# Allegro board DPU_PoE_A1_Oct-9-26.brd (continued)
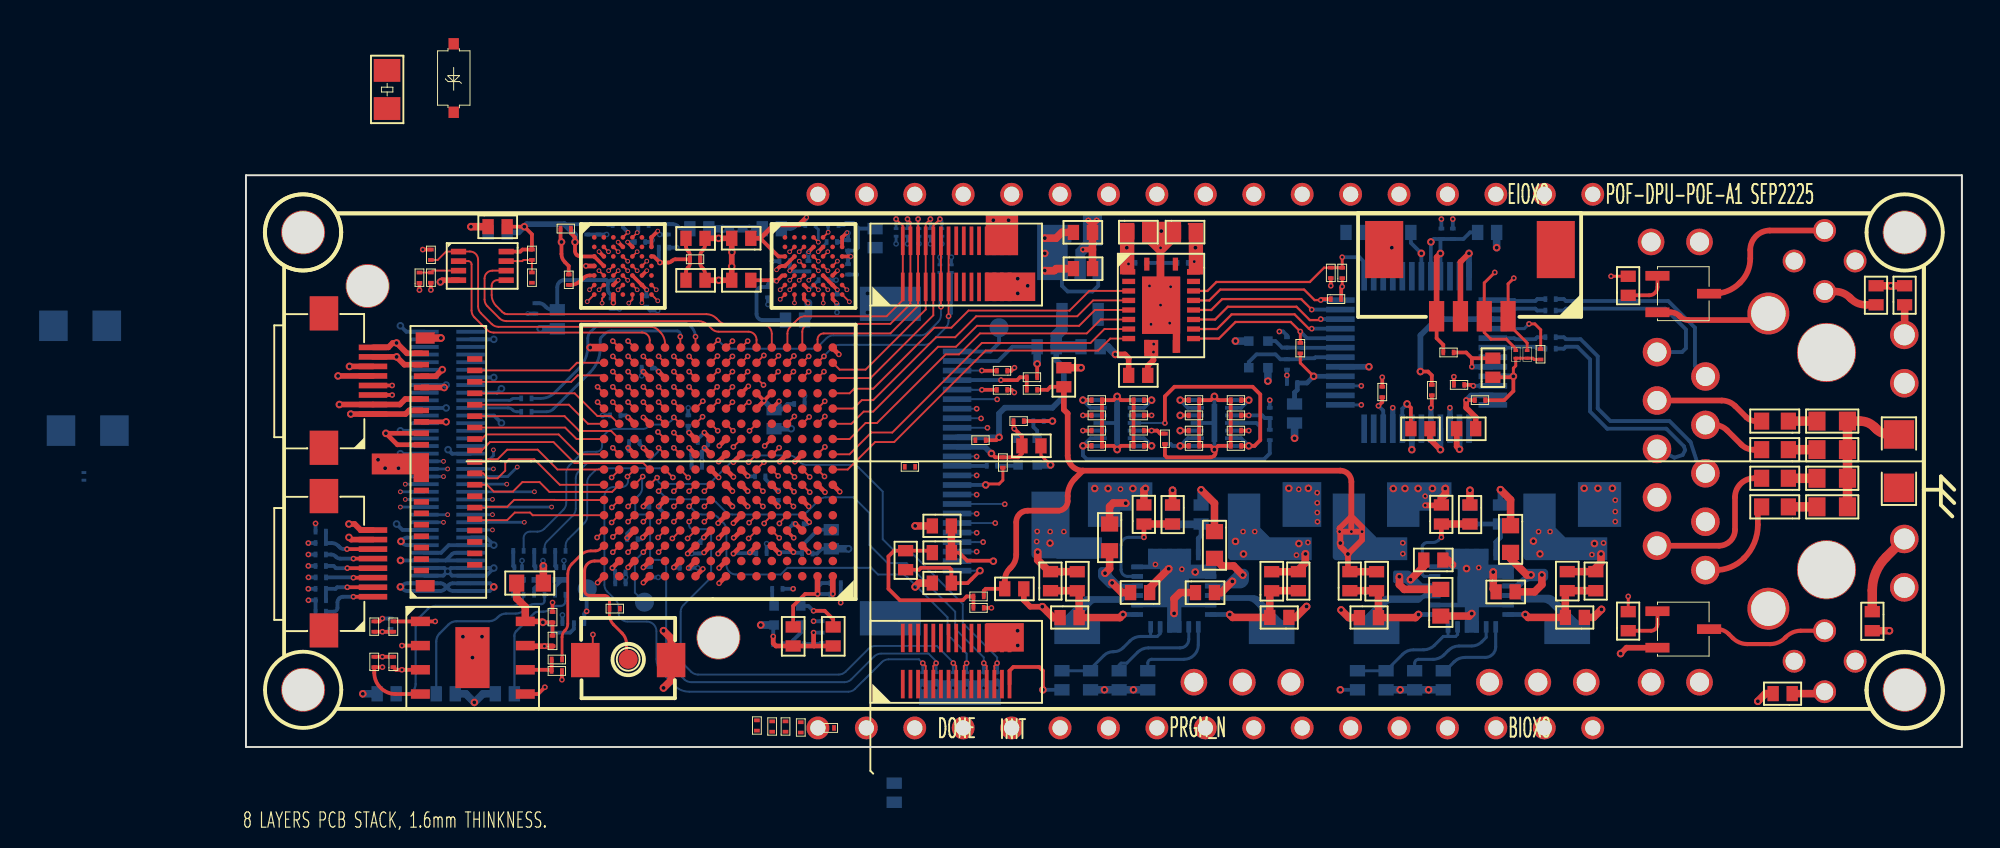
[diagram p0: board, top side]
## Routing (per net, layer and track width the routed paths; a pad name or vN(x,y) marks a point on that pad's centre or on a via; arc(x,y) is an arc through that point) (continued)
  BOTTOM w0.102: v1(38.33,17.75) J6.7
E_CSN: length 18.4
  TOP w0.102: U7.H1 31.56,14.56 33,16 34,16 38.8,20.8 44.7,20.8 45.33,21.43 U3.9
E_INT: length 17.9
  TOP w0.102: U7.M1 31.86,17.76 32.3,18.2 32.9,18.2 36.2,21.5 37.2,21.5 38.3,22.6 43.6,22.6 44.43,23.43 U3.5
E_MISO: length 18.1
  TOP w0.102: U3.7 44.83,22.43 44.1,21.7 38.5,21.7 37.4,20.6 36.7,20.6 33.1,17 32.5,17 31.66,16.16 30.78,16.16
E_MOSI: length 18
  TOP w0.102: U3.6 44.53,22.93 43.7,22.1 38.34,22.1 37.24,21 36.3,21 32.9,17.6 32.4,17.6 31.76,16.96 U7.L1
E_RST: length 17.7
  TOP w0.102: U3.4 44.23,23.93 43.2,22.9 37.9,22.9 37,22 36.1,22 32.9,18.8 31.9,18.8 31.66,18.56 U7.N1
E_SCLK: length 18.2
  TOP w0.102: U7.J1 31.66,15.36 32.8,16.5 33.9,16.5 38.6,21.2 44.3,21.2 45.03,21.93 U3.8
EIO-1: length 0.5
  TOP w0.102: v1(26.41,16.59) U7.L6
EIO-4: length 0.5
  TOP w0.102: v1(27.12,13.42) U7.G6
EN_ME1: length 6.8
  BOTTOM w0.16: 47.45,5.8 U14.6 ; 47.45,5.8 46.93,5.8 arc(46.63,5.74) 46.37,5.57 46,5.2 arc(45.78,5.05) 45.52,5 45.48,5 arc(45.22,4.95) 45,4.8 44.3,4.1 R35.1 R36.1 ; 47.45,5.8 47.8,5.8 47.95,5.95 U14.5
EN_ME2: length 6.9
  BOTTOM w0.16: U11.5 63.55,5.9 63.45,5.8 63.05,5.8 ; U11.6 63.05,5.8 ; 63.05,5.8 62.8,5.8 62.33,5.33 arc(62.07,5.16) 61.77,5.1 61.23,5.1 arc(60.93,5.04) 60.67,4.87 R1.1 R2.1
ETH_CSN: length 9
  TOP w0.123: v1(55.3,21.8) 54.8,22.3 51.9,22.3 51.03,21.43 U3.12
  TOP w0.157: R24.1 v1(55.3,21.8)
  BOTTOM w0.2: U12.32 55.65,21.45 v1(55.3,21.8)
ETH_INT: length 8.7
  TOP w0.123: U3.16 50.53,23.43 51.1,24 55.5,24 56.05,23.45 v1(56.37,23.45)
  TOP w0.2: R21.1 56.42,23.5 v1(56.37,23.45)
  BOTTOM w0.2: U12.36 v1(56.37,23.45)
ETH_MISO: length 8.3
  TOP w0.123: U3.14 50.83,22.43 51.5,23.1 55.1,23.1 55.8,22.4 56.32,22.4 v1(56.37,22.45)
  BOTTOM w0.2: U12.34 v1(56.37,22.45)
ETH_MOSI: length 8.2
  TOP w0.123: v1(55.9,22.95) 55.35,23.5 51.2,23.5 50.63,22.93 U3.15
  BOTTOM w0.2: U12.35 v1(55.9,22.95)
ETH_RST: length 10.9
  TOP w0.123: C25.1 56.55,25.15 55.8,24.4 50.9,24.4 50.43,23.93 U3.17
  TOP w0.157: C25.1 57.49,25.15 R10.2 v1(57.5,25.7)
  BOTTOM w0.2: U12.37 58.65,25.45 58.4,25.7 v1(57.5,25.7)
ETH_SCLK: length 8.3
  TOP w0.123: U3.13 50.93,21.93 51.7,22.7 55,22.7 55.75,21.95 v1(55.9,21.95)
  BOTTOM w0.2: U12.33 v1(55.9,21.95)
FP_LED0: length 21.4
  TOP w0.102: v1(26.38,18.09) 26.31,18.09 U7.M7
  TOP w0.2: J9.3 v1(7.67,18.47)
  SIG-6 w0.102: v1(26.38,18.09) 25.19,16.9 19.6,16.9 19.2,17.3 15.4,17.3 14.23,18.47 v1(7.67,18.47)
FP_LED1: length 20
  TOP w0.102: v1(25.52,18.1) U7.M8
  TOP w0.2: J9.4 v1(7.67,18.97)
  SIG-6 w0.102: v1(7.67,18.97) 14.53,18.97 15.8,17.7 25.12,17.7 v1(25.52,18.1)
H1_CKN: length 14.6
  TOP w0.102: U7.T8 v1(25.52,21.3) ; U2.B2 v3(28.52,25.99)
  SIG-6 w0.102: v3(28.52,25.99) 28.47,25.94 28.1,25.94 arc(27.95,26) 27.89,26.15 27.89,26.52 arc(27.95,26.67) 28.1,26.73 28.56,26.73 arc(28.91,26.88) 29.06,27.23 29.06,27.26 arc(28.9,27.65) 28.51,27.81 25.54,27.81 arc(25.14,27.65) 24.98,27.25 24.98,22.63 arc(25.02,22.43) 25.13,22.27 25.67,21.73 arc(25.72,21.6) 25.67,21.47 25.52,21.32 v1(25.52,21.3)
H1_CKP: length 14.8
  TOP w0.102: v1(26.32,21.3) U7.T7 ; v3(29.02,25.99) U2.B3
  SIG-6 w0.102: v1(26.32,21.3) 26.03,21.58 26.03,21.58 arc(25.99,21.77) 25.88,21.94 25.34,22.48 arc(25.3,22.55) 25.28,22.63 25.28,27.25 arc(25.36,27.43) 25.54,27.51 28.51,27.51 arc(28.68,27.44) 28.76,27.26 28.76,27.23 arc(28.7,27.09) 28.56,27.03 28.1,27.03 arc(27.74,26.88) 27.59,26.52 27.59,26.15 arc(27.74,25.79) 28.1,25.64 28.52,25.64 arc(28.62,25.66) 28.71,25.72 28.98,25.99 v3(29.02,25.99)
H1_CS: length 19.4
  TOP w0.102: v1(27.92,19.7) U7.P5 ; v3(30.02,26.49) U2.A4
  SIG-6 w0.102: v3(30.02,26.49) 30.08,26.43 arc(30.12,26.4) 30.18,26.39 33.89,26.39 arc(34.08,26.35) 34.25,26.24 35.24,25.25 arc(35.35,25.08) 35.39,24.89 35.39,22.79 arc(35.35,22.6) 35.24,22.43 33.43,20.62 arc(33.26,20.51) 33.07,20.47 32.04,20.47 arc(31.85,20.43) 31.68,20.32 31.59,20.23 arc(31.42,20.12) 31.23,20.08 30.87,20.08 arc(30.81,20.07) 30.75,20.03 arc(30.71,19.97) 30.7,19.91 30.7,19.45 arc(30.65,19.34) 30.54,19.29 28.49,19.29 arc(28.4,19.3) 28.31,19.33 28.29,19.33 v1(27.92,19.7)
  BOTTOM w0.15: v3(30.02,26.49) 30.02,27.15 29.88,27.29 R62.1
H1_D0: length 15.2
  TOP w0.102: v3(30.02,24.99) U2.D4 ; v1(26.32,19.7) U7.P7
  SIG-6 w0.102: v3(30.02,24.99) 30.1,24.91 arc(30.15,24.8) 30.1,24.68 29.98,24.56 arc(29.95,24.49) 29.98,24.42 30.02,24.38 arc(30.05,24.36) 30.09,24.35 31.45,24.35 arc(31.68,24.3) 31.88,24.17 32.49,23.56 arc(32.57,23.37) 32.49,23.18 32.36,23.05 arc(32.28,22.87) 32.36,22.69 arc(32.39,22.64) 32.4,22.58 arc(32.25,22.22) 31.89,22.07 29.22,22.07 arc(29.08,22.04) 28.96,21.96 28.47,21.47 arc(28.41,21.38) 28.39,21.28 28.39,20.27 arc(28.34,20.16) 28.23,20.11 26.95,20.11 arc(26.86,20.07) 26.82,19.98 26.82,19.88 arc(26.85,19.8) 26.92,19.78 27.34,19.78 arc(27.38,19.77) 27.41,19.74 arc(27.44,19.71) 27.44,19.67 27.44,19.55 arc(27.41,19.48) 27.34,19.45 26.62,19.45 arc(26.55,19.46) 26.49,19.49 26.49,19.52 v1(26.32,19.7)
H1_D1: length 15
  TOP w0.102: v1(25.52,20.5) 25.18,20.16 ; v3(29.02,25.49) U2.D3
  SIG-6 w0.102: v1(25.52,20.5) 25.85,20.83 25.99,20.83 arc(26.05,20.84) 26.11,20.84 26.44,20.84 arc(26.61,20.91) 26.68,21.08 26.68,21.78 arc(26.64,21.97) 26.53,22.14 25.78,22.89 arc(25.67,23.06) 25.63,23.25 25.63,26.34 arc(25.66,26.42) 25.73,26.45 26.31,26.45 arc(26.38,26.48) 26.41,26.55 26.41,26.69 arc(26.38,26.76) 26.31,26.79 25.76,26.79 arc(25.69,26.82) 25.66,26.89 25.66,27.04 arc(25.69,27.12) 25.77,27.15 27.11,27.15 arc(27.24,27.1) 27.29,26.97 27.29,25.68 arc(27.38,25.46) 27.6,25.37 28.91,25.37 arc(28.99,25.4) 29.02,25.48 v3(29.02,25.49)
H1_D2: length 15.1
  TOP w0.102: v1(29.52,19.7) U7.P3 ; v3(30.52,25.99) U2.C5
  SIG-6 w0.102: v1(29.52,19.7) 29.52,19.82 29.62,19.92 29.77,19.92 arc(29.86,19.96) 29.9,20.05 29.9,20.76 arc(29.95,20.87) 30.06,20.92 32.9,20.92 arc(33.09,20.96) 33.26,21.07 34.81,22.62 arc(34.92,22.79) 34.96,22.98 34.96,24.78 arc(34.92,24.97) 34.81,25.14 34.01,25.94 arc(33.84,26.05) 33.65,26.09 30.68,26.09 arc(30.62,26.08) 30.58,26.05 v3(30.52,25.99)
H1_D3: length 15
  TOP w0.102: v1(28.74,20.52) 28.38,20.16 ; v3(30.52,24.99) U2.D5
  SIG-6 w0.102: v1(28.74,20.52) 28.74,20.99 arc(28.79,21.22) 28.92,21.42 29.13,21.63 arc(29.33,21.76) 29.56,21.81 32.09,21.81 arc(32.28,21.85) 32.45,21.96 32.84,22.35 arc(32.87,22.42) 32.84,22.49 32.66,22.67 arc(32.63,22.74) 32.66,22.81 32.76,22.91 arc(32.83,22.94) 32.91,22.91 33.01,22.81 arc(33.11,22.75) 33.22,22.72 33.24,22.72 arc(33.39,22.79) 33.46,22.94 33.46,23.08 arc(33.43,23.15) 33.36,23.18 33.18,23.18 arc(33.11,23.21) 33.08,23.28 33.08,23.43 arc(33.11,23.5) 33.18,23.53 33.53,23.53 arc(33.58,23.54) 33.63,23.57 33.64,23.58 arc(33.67,23.63) 33.68,23.68 33.68,23.7 arc(33.67,23.75) 33.64,23.79 33.33,24.1 33.25,24.1 arc(33.17,24.06) 33.13,23.98 33.13,23.96 32.95,23.78 arc(32.88,23.75) 32.81,23.78 32.74,23.85 arc(32.69,23.96) 32.74,24.07 32.97,24.3 arc(33.04,24.41) 33.07,24.54 arc(33.02,24.66) 32.9,24.71 32.62,24.71 arc(32.54,24.68) 32.51,24.6 32.51,24.34 arc(32.48,24.27) 32.41,24.24 32.24,24.24 arc(32.13,24.29) 32.08,24.4 32.08,24.5 arc(32.07,24.55) 32.04,24.59 32.03,24.6 arc(31.99,24.63) 31.94,24.64 30.62,24.64 arc(30.55,24.67) 30.52,24.74 v3(30.52,24.99)
H1_D4: length 15
  TOP w0.102: v1(28.72,19.7) U7.P4 ; v3(31.02,25.49) U2.D6
  SIG-6 w0.102: v1(28.72,19.7) 29,19.98 29.03,19.98 arc(29.1,20.12) 29.13,20.28 29.13,21.03 arc(29.27,21.38) 29.62,21.52 32.33,21.52 arc(32.52,21.56) 32.69,21.67 33.89,22.87 arc(34.04,23.09) 34.09,23.35 34.09,23.95 arc(34.05,24.06) 33.94,24.11 33.82,24.11 arc(33.69,24.16) 33.63,24.3 33.63,24.35 arc(33.66,24.42) 33.73,24.45 34,24.45 arc(34.07,24.48) 34.1,24.55 34.1,24.7 arc(34.07,24.77) 34,24.8 33.77,24.8 arc(33.7,24.83) 33.67,24.9 33.67,25.07 arc(33.65,25.18) 33.58,25.27 33.57,25.29 arc(33.49,25.32) 33.4,25.29 33.38,25.27 arc(33.34,25.21) 33.33,25.14 33.33,25.12 arc(33.32,25.06) 33.28,25 33.23,24.95 arc(33.14,24.91) 33.05,24.95 33.04,24.96 arc(33.02,25) 33.01,25.04 33.01,25.34 arc(32.98,25.41) 32.91,25.44 32.84,25.44 arc(32.79,25.43) 32.76,25.41 32.49,25.14 arc(32.32,25.03) 32.13,24.99 31.74,24.99 arc(31.55,25.03) 31.38,25.14 31.03,25.49 v3(31.02,25.49)
H1_D5: length 15.1
  TOP w0.102: v1(27.93,20.53) 27.93,20.51 27.58,20.16 ; v3(29.52,24.49) U2.E4
  SIG-6 w0.102: v1(27.93,20.53) 27.92,20.54 27.92,20.79 arc(27.9,20.87) 27.85,20.95 27.84,20.96 arc(27.79,21.03) 27.77,21.12 27.77,21.17 arc(27.8,21.24) 27.87,21.27 27.93,21.27 arc(28.01,21.3) 28.04,21.38 28.04,21.46 arc(28.03,21.51) 28,21.55 27.95,21.6 27.86,21.6 27.76,21.7 arc(27.73,21.78) 27.76,21.85 27.77,21.86 arc(27.84,21.9) 27.92,21.92 28.1,21.92 arc(28.29,21.96) 28.46,22.07 28.83,22.44 arc(29.05,22.53) 29.26,22.44 arc(29.4,22.38) 29.54,22.44 29.6,22.5 arc(29.69,22.56) 29.8,22.58 29.83,22.58 arc(29.93,22.6) 30.02,22.66 30.03,22.67 arc(30.12,22.73) 30.22,22.75 30.39,22.75 arc(30.52,22.69) 30.58,22.56 30.58,22.54 30.68,22.44 arc(30.75,22.41) 30.83,22.44 31.02,22.64 arc(31.06,22.66) 31.1,22.67 31.17,22.67 31.24,22.6 31.24,22.52 arc(31.27,22.45) 31.34,22.42 31.49,22.42 arc(31.56,22.45) 31.59,22.52 31.59,22.75 arc(31.62,22.82) 31.69,22.85 31.8,22.85 arc(31.88,22.87) 31.95,22.91 31.99,22.95 arc(32.12,23.27) 31.99,23.59 31.94,23.64 arc(31.9,23.67) 31.85,23.68 31.41,23.68 arc(31.33,23.64) 31.29,23.56 31.29,23.12 arc(31.26,23.04) 31.19,23.01 30.69,23.01 arc(30.62,23.04) 30.59,23.12 30.59,23.4 arc(30.57,23.53) 30.5,23.63 30.49,23.64 arc(30.24,23.74) 30,23.64 29.94,23.58 arc(29.91,23.54) 29.9,23.48 29.9,23.01 arc(29.87,22.94) 29.8,22.91 29.25,22.91 arc(29.15,22.95) 29.11,23.05 29.11,23.7 29.18,23.77 29.18,23.97 arc(29.21,24.13) 29.3,24.26 29.52,24.48 v3(29.52,24.49)
H1_D6: length 15.1
  TOP w0.102: v1(27.16,20.54) 26.78,20.16 ; v3(29.02,24.49) U2.E3
  SIG-6 w0.102: v3(29.02,24.49) 28.94,24.41 arc(28.9,24.34) 28.88,24.26 28.88,24.08 arc(28.84,23.9) 28.74,23.75 28.62,23.63 arc(28.51,23.46) 28.47,23.27 28.47,22.68 arc(28.36,22.41) 28.09,22.3 27.91,22.3 arc(27.81,22.34) 27.77,22.44 27.77,22.48 arc(27.83,22.64) 27.99,22.7 arc(28.05,22.71) 28.1,22.74 28.12,22.77 arc(28.18,22.91) 28.12,23.05 28.05,23.12 arc(27.91,23.18) 27.76,23.12 arc(27.73,23.08) 27.72,23.02 27.72,23 arc(27.71,22.94) 27.68,22.89 27.62,22.84 arc(27.53,22.8) 27.43,22.84 26.96,23.31 arc(26.94,23.34) 26.93,23.39 26.93,23.41 arc(26.94,23.45) 26.96,23.49 26.98,23.5 arc(27.01,23.53) 27.06,23.54 27.44,23.54 arc(27.51,23.56) 27.54,23.64 27.54,23.74 arc(27.51,23.81) 27.44,23.84 26.71,23.84 arc(26.64,23.87) 26.61,23.94 26.61,24.08 arc(26.64,24.15) 26.71,24.18 27.27,24.18 arc(27.34,24.21) 27.37,24.28 27.37,24.4 arc(27.34,24.47) 27.27,24.5 26.44,24.5 arc(26.33,24.45) 26.28,24.34 26.28,23.68 arc(26.32,23.49) 26.43,23.32 27.28,22.47 arc(27.39,22.3) 27.43,22.11 27.43,20.95 arc(27.42,20.87) 27.4,20.8 27.4,20.78 v1(27.16,20.54)
H1_D7: length 15
  TOP w0.102: v3(28.52,24.49) U2.E2 ; v1(26.32,20.5) 25.98,20.16
  SIG-6 w0.102: v3(28.52,24.49) 28.21,24.8 26.33,24.8 arc(26.26,24.83) 26.23,24.9 26.23,24.97 arc(26.24,25) 26.26,25.04 26.27,25.05 arc(26.31,25.08) 26.35,25.08 26.99,25.08 arc(27.07,25.11) 27.09,25.18 27.09,25.3 arc(27.06,25.38) 26.98,25.41 26.3,25.41 arc(26.23,25.44) 26.2,25.51 26.2,25.7 arc(26.23,25.78) 26.31,25.81 26.91,25.81 arc(26.99,25.84) 27.02,25.92 27.02,26.41 arc(26.99,26.48) 26.92,26.51 26.77,26.51 arc(26.7,26.48) 26.67,26.41 26.67,26.24 arc(26.64,26.17) 26.57,26.14 26.06,26.14 arc(25.97,26.1) 25.93,26.01 25.93,23.6 arc(25.97,23.41) 26.08,23.24 26.93,22.39 arc(27.04,22.22) 27.08,22.03 27.08,21.25 arc(27.04,21.06) 26.93,20.89 26.55,20.51 26.33,20.51 v1(26.32,20.5)
H1_D8: length 15
  TOP w0.102: v3(30.52,23.99) U2.F5 ; v1(23.95,17.33) U7.L10
  SIG-3 w0.102: v1(23.95,17.33) 23.95,17.35 arc(23.92,17.42) 23.85,17.45 23.61,17.45 arc(23.54,17.42) 23.51,17.35 23.51,17 arc(23.54,16.93) 23.61,16.9 24.32,16.9 arc(24.37,16.91) 24.4,16.93 24.42,16.95 arc(24.45,16.97) 24.5,16.98 25,16.98 arc(25.19,17.02) 25.36,17.13 25.46,17.23 arc(25.61,17.33) 25.8,17.37 27.88,17.37 arc(28.25,17.44) 28.56,17.65 29.45,18.54 arc(29.55,18.78) 29.45,19.02 29.26,19.21 arc(29.15,19.38) 29.11,19.57 29.11,20.57 arc(29.15,20.76) 29.26,20.93 29.77,21.44 arc(29.85,21.49) 29.94,21.51 29.97,21.51 arc(30.06,21.53) 30.14,21.58 30.94,22.38 arc(31.01,22.55) 30.94,22.73 30.77,22.9 arc(30.66,23.07) 30.62,23.26 30.62,23.54 arc(30.61,23.6) 30.58,23.64 30.56,23.66 arc(30.53,23.71) 30.52,23.76 v3(30.52,23.99)
H1_D9: length 15
  TOP w0.102: v3(28.02,23.99) U2.F1 ; v1(24.73,20.51) 24.38,20.16
  SIG-3 w0.102: v3(28.02,23.99) 27.66,23.99 arc(27.43,24.09) 27.33,24.32 27.33,25.49 arc(27.36,25.56) 27.43,25.59 27.83,25.59 arc(27.9,25.62) 27.93,25.69 27.93,25.9 arc(27.9,25.97) 27.83,26 27.43,26 arc(27.36,26.03) 27.33,26.1 27.33,26.58 arc(27.27,26.72) 27.13,26.78 26.54,26.78 arc(26.47,26.81) 26.44,26.88 26.44,26.93 arc(26.41,27) 26.34,27.03 26.14,27.03 arc(26.07,27) 26.04,26.93 26.04,26.88 arc(26.01,26.81) 25.93,26.78 25.73,26.78 arc(25.66,26.81) 25.63,26.88 25.63,26.93 arc(25.6,27) 25.53,27.03 25.32,27.03 arc(25.25,27) 25.22,26.93 25.22,26.88 arc(25.19,26.81) 25.12,26.78 24.66,26.78 arc(24.48,26.7) 24.4,26.52 24.4,20.85 v1(24.73,20.51)
H1_D10: length 15.2
  TOP w0.102: v3(31.52,23.99) U2.F7 ; v1(25.55,16.59) U7.L8
  SIG-3 w0.102: v3(31.52,23.99) 31.52,23.89 31.4,23.77 arc(31.33,23.66) 31.3,23.53 31.3,21.83 arc(31.27,21.76) 31.2,21.73 30.87,21.73 arc(30.71,21.66) 30.64,21.5 30.64,21.17 arc(30.59,21.04) 30.46,20.99 30.02,20.99 arc(29.94,20.96) 29.91,20.88 29.91,20.49 arc(29.94,20.33) 30.03,20.2 30.08,20.15 arc(30.12,20.06) 30.08,19.98 30.03,19.93 arc(29.94,19.8) 29.91,19.64 29.91,19.3 arc(29.94,19.23) 30.01,19.2 30.29,19.2 arc(30.36,19.17) 30.39,19.1 30.39,18.9 arc(30.36,18.83) 30.29,18.8 30.01,18.8 arc(29.94,18.77) 29.91,18.7 29.91,18.49 arc(29.9,18.43) 29.86,18.38 29.85,18.37 arc(29.82,18.32) 29.8,18.26 29.8,18.15 arc(29.71,17.9) 29.46,17.8 29.29,17.8 arc(29.15,17.75) 29.1,17.62 29.1,16.96 arc(29.05,16.84) 28.93,16.79 arc(28.64,16.85) 28.39,17.02 28.37,17.03 arc(28.24,17.09) 28.11,17.03 28.08,17 arc(28.05,16.96) 28.04,16.9 28.04,16.88 arc(28.03,16.82) 28,16.78 27.97,16.75 arc(27.84,16.69) 27.7,16.75 27.67,16.78 arc(27.64,16.82) 27.63,16.88 27.63,16.9 arc(27.62,16.96) 27.59,17 27.56,17.03 arc(27.43,17.09) 27.3,17.03 27.27,17 arc(27.24,16.96) 27.23,16.9 27.23,16.88 arc(27.21,16.82) 27.18,16.78 27.16,16.75 arc(27.02,16.69) 26.89,16.75 26.78,16.86 arc(26.75,16.88) 26.71,16.89 26.6,17 25.95,17 v1(25.55,16.59)
H1_D11: length 14.9
  TOP w0.102: v3(28.52,23.99) U2.F2 ; v1(25.52,19.7) U7.P8
  SIG-3 w0.102: v3(28.52,23.99) 28.52,23.53 arc(28.43,23.3) 28.2,23.21 27.49,23.21 arc(27.3,23.25) 27.13,23.36 26.78,23.71 arc(26.67,23.88) 26.63,24.07 26.63,25.28 arc(26.58,25.41) 26.45,25.46 25.27,25.46 arc(25.16,25.41) 25.11,25.3 25.11,25.07 arc(25.14,25) 25.21,24.97 26.18,24.97 arc(26.25,24.94) 26.28,24.87 26.28,24.54 arc(26.25,24.47) 26.18,24.44 25.34,24.44 arc(25.22,24.41) 25.12,24.34 25.11,24.33 arc(25,24.06) 25.11,23.78 25.35,23.54 arc(25.46,23.37) 25.5,23.18 25.5,22.23 arc(25.54,22.04) 25.65,21.87 25.74,21.78 arc(25.86,21.6) 25.9,21.4 25.9,20.08 v1(25.52,19.7)
H1_D12: length 15.1
  TOP w0.102: U2.G5 30.28,23.73 v3(30.28,23.29) ; v1(24.77,18.14) U7.M9
  SIG-3 w0.102: v3(30.28,23.29) 30.28,23.07 arc(30.32,22.89) 30.42,22.73 30.52,22.63 arc(30.56,22.55) 30.52,22.46 30.28,22.22 arc(30.18,22.15) 30.07,22.13 30.04,22.13 arc(29.93,22.11) 29.83,22.04 29.76,21.97 arc(29.59,21.86) 29.4,21.82 28.45,21.82 arc(28.38,21.79) 28.35,21.72 28.35,21.45 arc(28.38,21.38) 28.45,21.35 28.82,21.35 arc(28.89,21.32) 28.92,21.25 28.92,21.01 arc(28.89,20.94) 28.82,20.91 28.45,20.91 arc(28.38,20.88) 28.35,20.81 28.35,19.2 arc(28.38,19.13) 28.45,19.1 28.81,19.1 arc(28.89,19.07) 28.91,19 28.91,18.79 arc(28.89,18.72) 28.81,18.69 28.47,18.69 arc(28.4,18.66) 28.37,18.59 28.37,17.98 28.13,17.74 28.12,17.74 27.91,17.69 25.52,17.69 arc(25.33,17.65) 25.16,17.54 24.96,17.34 arc(24.81,17.28) 24.66,17.34 24.53,17.47 arc(24.5,17.54) 24.53,17.61 24.57,17.65 arc(24.64,17.69) 24.71,17.71 24.72,17.71 arc(24.79,17.73) 24.84,17.77 24.84,18.07 v1(24.77,18.14)
H1_D13: length 15
  TOP w0.102: v1(24.77,19.74) U7.P9 ; v3(28.02,23.49) U2.G1
  SIG-3 w0.102: v3(28.02,23.49) 27.79,23.49 arc(27.6,23.53) 27.44,23.64 27.12,23.96 arc(27.01,24.13) 26.97,24.32 26.97,26.21 arc(26.94,26.28) 26.87,26.31 26.6,26.31 arc(26.53,26.28) 26.5,26.21 26.5,25.95 arc(26.47,25.88) 26.4,25.85 26.27,25.85 arc(26.21,25.86) 26.17,25.89 26.15,25.91 arc(26.12,25.95) 26.11,26.01 26.11,26.25 arc(26.1,26.3) 26.07,26.34 26.02,26.39 arc(25.91,26.44) 25.8,26.39 25.8,26.39 arc(25.73,26.28) 25.7,26.15 25.7,25.95 arc(25.67,25.88) 25.6,25.85 25.28,25.85 arc(25.21,25.88) 25.18,25.95 25.18,26.26 arc(25.14,26.34) 25.06,26.38 24.88,26.38 arc(24.8,26.34) 24.76,26.26 24.76,23.82 arc(24.8,23.63) 24.91,23.46 25.03,23.34 arc(25.08,23.26) 25.1,23.17 25.1,20.08 v1(24.77,19.74)
H1_D14: length 14.8
  TOP w0.102: v3(31.65,23.36) U2.G7 ; v1(24.75,16.59) U7.L9
  SIG-3 w0.102: v1(24.75,16.59) 25.14,16.2 27,16.2 27.22,16.42 29.66,16.42 arc(29.83,16.49) 29.9,16.66 29.9,17.56 arc(29.94,17.66) 30.04,17.7 30.59,17.7 arc(30.67,17.74) 30.71,17.82 30.71,20.66 arc(30.78,20.82) 30.94,20.89 31.5,20.89 arc(31.61,20.93) 31.65,21.04 v3(31.65,23.36)
H1_D15: length 15.1
  TOP w0.102: v3(28.77,23.3) U2.G2 ; U7.N9 v1(24.72,18.9)
  SIG-3 w0.102: v3(28.77,23.3) 28.77,22.94 arc(28.74,22.87) 28.67,22.84 28.45,22.84 arc(28.41,22.83) 28.37,22.81 28.36,22.8 arc(28.34,22.76) 28.33,22.72 28.33,22.6 arc(28.3,22.53) 28.23,22.5 28.03,22.5 arc(27.96,22.53) 27.93,22.6 27.93,22.83 arc(27.9,22.9) 27.83,22.93 27.68,22.93 arc(27.61,22.9) 27.58,22.83 27.58,22.54 arc(27.55,22.47) 27.48,22.44 27.28,22.44 arc(27.2,22.47) 27.16,22.55 27.16,22.63 arc(27.13,22.79) 27.04,22.93 26,23.97 arc(25.93,24) 25.85,23.97 25.71,23.83 arc(25.68,23.76) 25.71,23.69 26.49,22.91 arc(26.53,22.81) 26.49,22.71 26.39,22.61 arc(26.29,22.56) 26.18,22.61 arc(26.11,22.64) 26.04,22.61 25.88,22.45 arc(25.86,22.42) 25.85,22.38 25.85,22.26 arc(25.9,22.15) 26.01,22.11 26.99,22.11 arc(27.06,22.08) 27.09,22.01 27.09,21.84 arc(27.05,21.74) 26.95,21.7 26.85,21.7 arc(26.79,21.69) 26.75,21.66 26.73,21.64 arc(26.7,21.6) 26.69,21.54 26.69,19.4 arc(26.66,19.33) 26.59,19.3 25.12,19.3 v1(24.72,18.9)
H1_RST: length 20
  TOP w0.102: v1(27.14,18.99) U7.P6 ; v3(30.54,27.01) U2.A5
  SIG-6 w0.102: v3(30.54,27.01) 30.71,26.83 arc(30.88,26.72) 31.07,26.68 34.16,26.68 arc(34.35,26.64) 34.52,26.53 35.63,25.42 arc(35.74,25.25) 35.78,25.06 35.78,22.69 arc(35.74,22.5) 35.63,22.33 33.51,20.21 arc(33.39,20.13) 33.25,20.1 32.59,20.1 arc(32.34,20.05) 32.13,19.91 31.32,19.1 arc(31.16,18.99) 30.96,18.95 27.18,18.95 v1(27.14,18.99)
  BOTTOM w0.15: v3(30.54,27.01) 30.54,27.01 R61.2
H1_RWDS0: length 14.8
  TOP w0.102: v3(30.02,25.49) U2.C4 ; v1(29.52,20.5) 29.18,20.16
  SIG-6 w0.102: v3(30.02,25.49) 30.27,25.49 arc(30.46,25.53) 30.63,25.64 30.67,25.68 arc(30.98,25.81) 31.29,25.68 31.51,25.46 arc(31.82,25.33) 32.13,25.46 32.3,25.63 arc(32.47,25.74) 32.66,25.78 33.39,25.78 arc(33.7,25.72) 33.97,25.54 34.21,25.3 arc(34.37,25.06) 34.43,24.77 34.43,24.69 arc(34.44,24.65) 34.46,24.62 34.62,24.46 arc(34.69,24.3) 34.62,24.13 34.43,23.94 arc(34.39,23.83) 34.43,23.73 34.62,23.54 arc(34.66,23.43) 34.62,23.32 34.47,23.17 arc(34.44,23.13) 34.43,23.07 34.43,23.06 arc(34.4,22.89) 34.3,22.75 34.03,22.48 arc(33.99,22.43) 33.98,22.37 33.98,22.28 arc(33.92,22.13) 33.77,22.07 33.62,22.07 arc(33.47,22.01) 33.41,21.86 33.41,21.71 arc(33.34,21.56) 33.19,21.49 33.18,21.49 arc(33.06,21.47) 32.95,21.4 32.93,21.38 arc(32.76,21.27) 32.57,21.23 29.89,21.23 arc(29.63,21.12) 29.52,20.85 v1(29.52,20.5)
H1_RWDS1: length 15
  TOP w0.102: v1(25.52,18.9) U7.N8 ; v3(30.02,23.99) U2.F4
  SIG-3 w0.102: v3(30.02,23.99) 30.02,23.8 arc(30.01,23.75) 29.98,23.7 29.97,23.69 arc(29.93,23.66) 29.87,23.65 29.19,23.65 arc(29.12,23.62) 29.09,23.55 29.09,22.88 29.16,22.81 29.74,22.81 arc(29.87,22.79) 29.98,22.71 30.02,22.67 arc(30.05,22.6) 30.02,22.53 29.96,22.47 arc(29.92,22.44) 29.86,22.43 29.2,22.43 arc(29.04,22.4) 28.91,22.31 28.89,22.29 arc(28.76,22.2) 28.6,22.17 27.87,22.17 arc(27.71,22.14) 27.58,22.05 27.52,21.99 arc(27.49,21.92) 27.52,21.85 27.58,21.79 arc(27.62,21.76) 27.68,21.75 27.8,21.75 arc(27.84,21.74) 27.88,21.72 27.9,21.7 arc(27.92,21.66) 27.93,21.62 27.93,21.49 arc(27.9,21.42) 27.83,21.39 27.29,21.39 arc(27.22,21.36) 27.19,21.29 27.19,21.1 arc(27.22,21.03) 27.29,21 27.45,21 arc(27.52,20.97) 27.55,20.9 27.55,20.23 arc(27.52,20.16) 27.45,20.13 27.14,20.13 arc(27.07,20.1) 27.04,20.03 27.04,19.78 arc(27.07,19.71) 27.14,19.68 27.42,19.68 arc(27.49,19.65) 27.52,19.58 27.52,19.35 arc(27.58,19.19) 27.74,19.13 27.86,19.13 arc(27.96,19.11) 28.04,19.06 28.07,19.03 arc(28.12,18.92) 28.07,18.81 28.06,18.8 arc(28.02,18.77) 27.96,18.76 27.85,18.76 arc(27.72,18.73) 27.61,18.66 arc(27.47,18.57) 27.31,18.54 25.92,18.54 arc(25.9,18.54) 25.88,18.55 25.87,18.55 v1(25.52,18.9)
H2_CKN: length 11.8
  TOP w0.102: v3(19.02,25.99) 18.77,26.23 U1.B2 ; v1(19.24,21.3) U7.T15
  SIG-3 w0.102: v3(19.02,25.99) 19.02,25.8 arc(18.97,25.68) 18.85,25.62 17.88,25.62 arc(17.75,25.65) 17.65,25.72 17.61,25.76 arc(17.53,25.81) 17.43,25.83 arc(17.33,25.81) 17.25,25.76 17.21,25.72 arc(17.1,25.65) 16.98,25.62 16.21,25.62 arc(15.86,25.48) 15.71,25.12 15.71,24.86 arc(15.86,24.5) 16.21,24.35 18.7,24.35 arc(18.8,24.31) 18.84,24.2 18.84,23.83 19.01,23.66 19.01,22.22 19.16,22.07 19.32,21.91 arc(19.41,21.78) 19.44,21.63 19.44,21.49 v1(19.24,21.3)
H2_CKP: length 11.9
  TOP w0.102: v3(19.52,25.99) 19.5,26.01 U1.B3 ; U7.T14 v1(20.04,21.3)
  SIG-3 w0.102: v1(20.04,21.3) 19.78,21.56 19.78,21.63 arc(19.78,21.66) 19.77,21.7 19.77,21.72 arc(19.74,21.87) 19.65,22 19.37,22.29 arc(19.33,22.35) 19.31,22.43 19.31,23.79 19.15,23.95 19.15,24.2 arc(19.01,24.52) 18.7,24.65 16.21,24.65 arc(16.07,24.71) 16.01,24.86 16.01,25.12 arc(16.07,25.26) 16.21,25.32 18.95,25.32 arc(19.15,25.36) 19.31,25.47 19.42,25.58 arc(19.49,25.69) 19.52,25.82 19.52,25.98 v3(19.52,25.99)
H2_CS: length 12.5
  TOP w0.102: v1(23.24,20.5) 23.58,20.16 ; v3(20.04,27.01) U1.A4
  SIG-6 w0.102: v1(23.24,20.5) 23.28,20.46 23.97,20.46 arc(24.23,20.56) 24.34,20.82 24.34,25.78 arc(24.12,26.29) 23.61,26.5 20.75,26.5 arc(20.52,26.55) 20.32,26.68 20.04,26.96 v3(20.04,27.01)
  BOTTOM w0.2: R64.1 19.78,27.26 v3(20.04,27.01)
H2_D0: length 12
  TOP w0.102: v1(21.64,18.9) U7.N12 ; v3(20.02,24.99) U1.D4
  SIG-6 w0.102: v1(21.64,18.9) 21.68,18.86 arc(21.82,18.85) 21.96,18.81 arc(22,18.78) 22.03,18.76 arc(22.06,18.69) 22.03,18.61 21.87,18.45 arc(21.84,18.43) 21.8,18.42 21.55,18.42 arc(21.42,18.4) 21.31,18.33 arc(21.24,18.29) 21.16,18.33 21.12,18.37 arc(21.1,18.4) 21.09,18.44 arc(21.11,18.53) 21.16,18.6 21.2,18.64 arc(21.23,18.72) 21.2,18.79 arc(21.22,18.9) 21.28,18.98 21.32,19.03 arc(21.42,19.26) 21.32,19.49 21.32,19.5 arc(21.24,19.61) 21.21,19.74 21.21,19.78 arc(21.19,19.89) 21.13,19.99 21.11,20.01 arc(21.08,20.09) 21.11,20.18 21.14,20.21 arc(21.26,20.39) 21.3,20.59 21.3,20.62 arc(21.2,20.85) 20.97,20.94 20.89,20.94 arc(20.7,20.98) 20.53,21.09 arc(20.38,21.45) 20.53,21.8 21.76,23.03 arc(21.87,23.2) 21.91,23.39 21.91,24.19 arc(21.87,24.3) 21.76,24.35 20.87,24.35 arc(20.68,24.39) 20.51,24.5 v3(20.02,24.99)
H2_D1: length 11.8
  TOP w0.102: v1(20.84,18.9) U7.N13 ; v3(19.02,24.99) U1.D3
  SIG-6 w0.102: v1(20.84,18.9) 20.44,19.3 18.1,19.3 arc(17.98,19.32) 17.88,19.39 17.43,19.84 arc(17.13,20.29) 17.03,20.81 17.03,23.87 arc(17.17,24.6) 17.59,25.23 arc(17.69,25.29) 17.8,25.31 18.49,25.31 arc(18.68,25.28) 18.85,25.17 v3(19.02,24.99)
H2_D2: length 11.7
  TOP w0.102: v3(20.52,25.99) U1.C5 ; v1(22.44,19.7) U7.P11
  SIG-6 w0.102: v3(20.52,25.99) 20.63,26.1 arc(20.74,26.17) 20.87,26.2 23.28,26.2 arc(23.79,25.99) 24,25.48 24,21.17 arc(23.93,21) 23.77,20.94 23.03,20.94 arc(22.87,20.87) 22.8,20.71 22.8,20.11 arc(22.78,20.02) 22.73,19.95 22.48,19.7 v1(22.44,19.7)
H2_D3: length 11.8
  TOP w0.102: v3(20.52,24.99) U1.D5 ; v1(21.64,20.5) 21.98,20.16
  SIG-6 w0.102: v1(21.64,20.5) 21.64,20.66 arc(21.63,20.73) 21.59,20.78 21.56,20.81 arc(21.53,20.85) 21.52,20.9 21.52,20.92 arc(21.53,20.96) 21.56,21 21.59,21.03 arc(21.63,21.09) 21.64,21.16 21.64,21.18 arc(21.6,21.28) 21.51,21.32 20.91,21.32 arc(20.84,21.35) 20.81,21.42 20.81,21.7 arc(20.84,21.77) 20.91,21.8 21.37,21.8 arc(21.44,21.83) 21.47,21.91 21.47,22.1 arc(21.61,22.45) 21.96,22.59 22.51,22.59 arc(22.61,22.61) 22.7,22.67 arc(22.74,22.77) 22.7,22.86 22.69,22.87 arc(22.59,22.94) 22.47,22.96 22.27,22.96 arc(22.19,22.99) 22.16,23.07 22.16,23.25 arc(22.19,23.32) 22.27,23.36 22.72,23.36 arc(22.8,23.39) 22.82,23.46 22.82,23.59 arc(22.82,23.64) 22.79,23.68 22.77,23.69 arc(22.73,23.72) 22.68,23.73 22.39,23.73 arc(22.34,23.74) 22.3,23.77 22.25,23.82 arc(22.21,23.91) 22.25,24 22.26,24.01 arc(22.37,24.09) 22.5,24.11 22.69,24.11 arc(22.73,24.12) 22.76,24.14 22.78,24.15 arc(22.8,24.2) 22.81,24.24 22.81,24.26 arc(22.8,24.31) 22.78,24.36 22.76,24.37 arc(22.72,24.4) 22.67,24.41 22.54,24.41 arc(22.46,24.44) 22.43,24.51 22.43,24.72 arc(22.39,24.84) 22.27,24.89 22.26,24.89 arc(22.14,24.86) 22.04,24.79 21.99,24.74 arc(21.85,24.65) 21.68,24.62 21.1,24.62 arc(20.91,24.65) 20.75,24.76 v3(20.52,24.99)
